# Altium PCB Power_Board_PCB.PcbDoc (part 3 of 3) (continued)
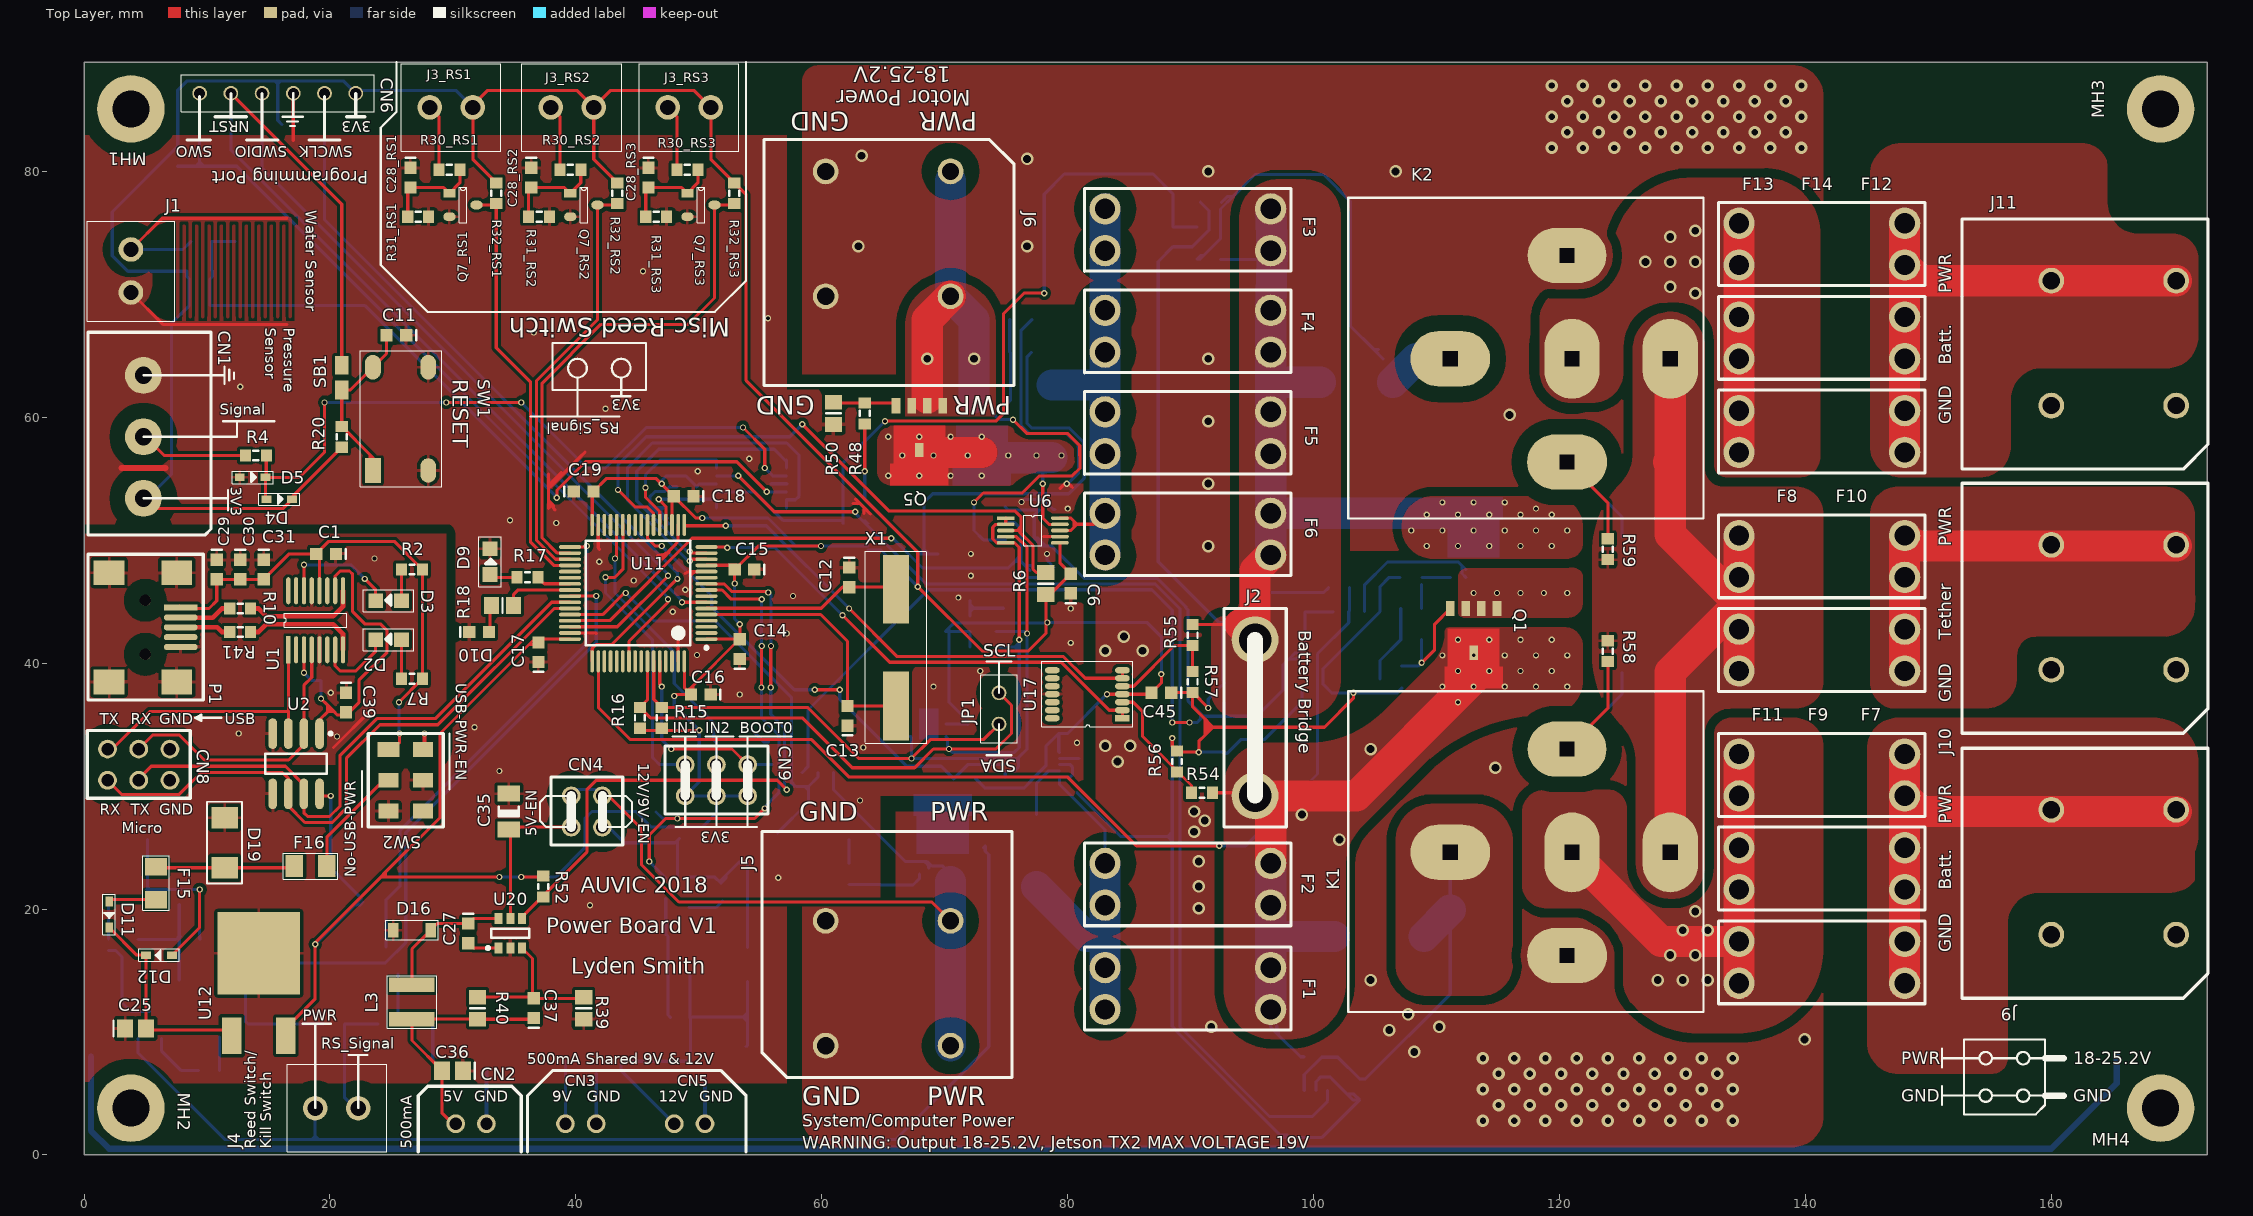
[diagram p0: Top Layer view]
## Polygon pours and split planes (outlines as drawn) (continued)
Motor-Draw-Shunted on Top Layer "MOTOR-DRAW-SHUNTED_L01_P851" (solid, pour order 851): 75.581,54.57 75.742,54.731 cw(c77.597,52.875) 77.597,55.499 79.375,55.499 ccw(c79.375,56.769) 80.645,56.769 ccw(c79.248,56.769) 79.248,58.166 77.191,58.166 cw(c77.191,60.3) 77.191,58.166 cw(c77.191,60.3) 75.682,58.791 ccw(c75.031,58.674) 75.031,59.335 cw(c75.031,58.674) 75.031,59.335 65.845,59.335 cw(c65.845,58.006) 65.845,59.335 ccw(c65.845,58.006) 64.516,58.006 64.516,55.626 ccw(c65.684,55.626) 65.684,54.458 75.311,54.458 ccw(c75.311,54.839) 75.311,54.458 ccw(c75.311,54.839) 75.521,54.521 75.527,54.516 75.58,54.569 ccw(c75.311,54.839)
NetF7_1 on Top Layer "NETF7_1_L01_P861" (solid, pour order 861): 150.622,6.604 ccw(c150.622,8.431) 150.622,6.604 ccw(c150.622,8.431) 150.625,6.604 155.186,6.604 cw(c155.194,4.318) 155.194,6.604 ccw(c155.194,7.874) 156.464,7.874 156.464,18.796 cw(c159.004,18.796) 159.004,21.336 169.672,21.336 ccw(c169.672,23.876) 171.709,22.359 171.709,24.702 ccw(c168.91,25.908) 171.958,25.908 ccw(c168.91,25.908) 171.958,25.908 171.958,30.48 171.958,31.496 171.958,32.004 ccw(c168.402,32.004) 171.958,32.004 ccw(c168.402,32.004) 168.402,35.56 ccw(c168.402,32.004) 168.402,35.56 147.566,35.56 ccw(c147.574,33.02) 145.034,33.02 145.034,9.144 ccw(c147.574,9.144) 147.574,6.604 148.336,6.604
NetF12_1 on Top Layer "NETF12_1_L01_P860" (solid, pour order 860): 169.418,64.008 ccw(c169.418,66.548) 171.958,66.548 171.958,72.898 ccw(c169.926,72.898) 169.926,74.93 167.132,74.93 cw(c167.132,77.47) 164.592,77.47 164.592,80.264 ccw(c162.56,80.264) 162.56,82.296 147.828,82.296 ccw(c147.828,79.756) 145.288,79.756 145.288,57.658 ccw(c147.828,57.658) 147.828,55.118 154.178,55.118 ccw(c154.178,57.658) 156.718,57.658 156.718,61.468 cw(c159.258,61.468) 159.258,64.008
NetF8_1 on Top Layer "NETF8_1_L01_P859" (solid, pour order 859): 145.288,38.456 ccw(c147.447,38.456) 147.117,36.322 154.686,36.322 ccw(c154.686,38.862) 157.226,38.862 157.226,40.64 cw(c158.75,40.64) 158.75,42.164 169.164,42.164 ccw(c169.164,44.704) 171.704,44.704 171.704,44.73 cw(c173.71,44.73) 171.704,44.73 ccw(c169.495,45.133) 171.704,44.73 cw(c173.71,44.73) 171.74,45.11 ccw(c169.495,45.133) 171.74,45.133 ccw(c169.495,45.133) 171.704,45.535 171.704,48.768 ccw(c170.942,48.768) 171.704,48.771 171.704,52.07 ccw(c169.239,51.885) 169.239,54.356 ccw(c169.239,51.885) 169.198,54.356 147.568,54.356 ccw(c147.574,52.07) 145.288,52.07
GND on Top Layer "GND_L01_P1048" (solid, pour order 1048): 64.77,29.21 71.374,29.21 77.978,29.21 81.28,29.21 81.28,46.99 81.28,54.61 64.77,54.61 64.77,62.23 57.15,62.23 57.15,82.931 50.673,82.931 50.673,80.899 50.038,80.264 48.895,80.264 48.514,80.645 48.514,82.931 41.458,82.931 41.458,80.987 40.608,80.137 39.497,80.137 38.989,80.645 38.989,82.931 31.369,82.931 31.369,80.518 30.988,80.137 29.591,80.137 29.083,80.645 29.083,82.931 0,82.931 0,49.022 cw(c1.778,49.022) 1.778,50.8 28.956,50.8 cw(c28.956,49.784) 29.972,49.784 29.972,33.02 cw(c28.448,33.02) 28.448,31.496 cw(c28.448,33.02) 28.448,31.496 23.876,31.496 23.876,30.353 21.971,28.448 21.59,28.829 21.59,31.496 8.636,31.496 8.636,29.972 cw(c7.62,29.972) 7.62,28.956 1.192,28.956 cw(c1.192,30.148) 1.192,28.956 cw(c1.192,30.148) 0,30.148 0,5.842 57.15,5.842 57.15,20.32 64.77,20.32
GND on Bottom Layer "GND_L02_P869" (solid, pour order 869): 82.296,43.38 87.63,43.38 87.63,29.972 82.296,29.972
Battery1 on Bottom Layer "BATTERY1_L02_P873" (solid, pour order 873): 131.191,10.922 ccw(c131.191,16.637) 136.906,16.637 136.906,33.177 ccw(c135.031,33.177) 135.031,35.052 130.977,35.052 ccw(c130.977,31.583) 129.962,34.9 ccw(c131.318,28.92) 126.982,33.256 123.197,29.471 cw(c120.728,31.94) 120.728,28.448 ccw(c121.529,28.448) 120.728,28.448 cw(c120.721,33.182) 120.721,28.448 120.724,28.442 ccw(c120.904,25.654) 118.11,25.658 118.11,21.082 cw(c120.396,21.082) 118.11,21.082 ccw(c120.396,21.082) 120.396,18.796 120.904,18.796 cw(c120.904,15.24) 120.904,18.796 cw(c120.904,15.24) 124.322,16.219 cw(c124.399,12.217) 124.399,16.22 ccw(c129.697,16.22) 124.415,15.805 cw(c120.904,15.24) 124.453,15.462 ccw(c129.697,16.22) 129.697,10.922
Battery2 on Bottom Layer "BATTERY2_L02_P877" (solid, pour order 877): 120.956,60.655 cw(c120.692,56.707) 123.49,59.505 124.129,58.867 ccw(c133.179,67.917) 133.179,55.118 135.128,55.118 ccw(c135.128,56.896) 136.906,56.896 136.906,76.2 ccw(c135.128,76.2) 135.128,77.978 134.62,77.978 ccw(c134.62,76.138) 134.415,77.967 ccw(c134.874,68.78) 128.37,75.284 122.459,69.373 cw(c121.158,70.674) 121.158,68.834 120.929,68.834 ccw(c120.929,65.659) 117.754,65.659 117.754,63.83 ccw(c120.929,63.83) 119.907,60.824 119.907,60.817 119.924,60.817 cw(c119.924,48.296) 119.928,60.817 ccw(c120.929,63.83) 120.692,60.664 ccw(c122.736,60.664) 120.692,60.664 cw(c122.736,60.664) 120.692,60.664 cw(c120.692,56.707) 120.693,60.664 ccw(c120.929,63.83) 120.929,60.655
GND on Bottom Layer "GND_L02_P1052" (solid, pour order 1052): 14.351,82.381 14.612,82.931 14.351,82.931
Right-Battery-Shunted on Bottom Layer "RIGHT-BATTERY-SHUNTED_L02_P866" (solid, pour order 866): 103.08,48.615 121.005,48.615 ccw(c121.005,49.53) 121.92,49.53 121.92,51.054 ccw(c119.38,51.054) 119.38,53.594 111.125,53.594 cw(c111.125,62.484) 102.235,62.484 102.235,76.2 ccw(c99.06,76.2) 99.06,79.375 97.155,79.375 ccw(c97.155,76.2) 93.98,76.2 93.98,49.53 ccw(c97.155,49.53) 97.155,46.355 ccw(c97.155,51.435) 100.292,47.439 100.292,47.432 cw(c103.149,44.575) 100.329,47.468 ccw(c97.155,51.435) 100.66,47.758 cw(c103.149,44.575)
GND on Bottom Layer "GND_L02_P1022" (solid, pour order 1022): 58.42,20.193 58.42,6.35 70.815,6.35 73.685,9.22 73.685,24.816 74.473,25.603 74.93,25.603 87.637,25.621 87.351,25.908 80.747,25.908 80.493,26.162 80.493,27.94 66.04,27.94 66.04,20.193
Motor-Power on Bottom Layer "MOTOR-POWER_L02_P870" (solid, pour order 870): 74.168,59.944 74.168,78.074 ccw(c71.12,78.074) 71.12,81.122 68.072,81.122 ccw(c68.072,78.074) 65.024,78.074 65.024,59.944
System-Draw-Shunted on Bottom Layer "SYSTEM-DRAW-SHUNTED_L02_P867" (solid, pour order 867): 72.745,24.485 ccw(c72.745,25.4) 73.66,25.4 cw(c74.549,25.4) 74.549,26.289 78.399,26.289 ccw(c78.399,27.9) 80.01,27.9 80.01,27.94 ccw(c78.59,27.94) 78.59,29.36 67.5,29.36 ccw(c67.5,27.9) 66.04,27.9 66.04,26.195 ccw(c67.75,26.195) 67.75,24.485
System-Draw on Bottom Layer "SYSTEM-DRAW_L02_P883" (solid, pour order 883): 75.311,10.541 ccw(c78.359,10.541) 78.359,7.493 85.09,7.493 ccw(c85.09,10.541) 88.138,10.541 88.138,22.352 ccw(c84.963,22.352) 84.963,25.527 77.851,25.527 ccw(c77.851,22.987) 75.311,22.987
Left-Battery on Bottom Layer "LEFT-BATTERY_L02_P878" (solid, pour order 878): 107.95,14.224 113.538,14.224 ccw(c113.538,16.002) 115.316,16.002 115.316,24.638 ccw(c112.268,24.638) 112.268,27.686 109.728,27.686 ccw(c109.728,24.638) 106.68,24.638 106.68,15.494 ccw(c107.95,15.494)
Right-Battery on Bottom Layer "RIGHT-BATTERY_L02_P884" (solid, pour order 884): 109.728,58.166 cw(c109.728,62.738) 109.728,58.166 ccw(c109.728,62.992) 114.554,62.992 114.554,66.294 cw(c114.554,67.564) 114.554,66.294 ccw(c112.014,66.294) 112.014,68.834 108.712,68.834 ccw(c108.712,65.278) 105.156,65.278 105.156,62.738 ccw(c109.728,62.738) 109.728,58.166 ccw(c109.728,62.992)
Motor-Draw-Shunted on Bottom Layer "MOTOR-DRAW-SHUNTED_L02_P863" (solid, pour order 863): 80.569,56.809 cw(c79.275,56.806) 80.569,56.808 ccw(c79.062,56.653)
System-Power on Bottom Layer "SYSTEM-POWER_L02_P868" (solid, pour order 868): 67.31,7.62 cw(c67.31,10.16) 64.77,10.16 64.77,15.875 cw(c67.564,15.875) 67.297,18.656 ccw(c67.297,19.939) 68.58,19.939 68.58,23.876 72.517,23.876 cw(c72.39,23.178) 73.025,23.495 73.025,10.795 cw(c70.104,10.541) 70.358,7.62
Left-Battery-Shunted on Bottom Layer "LEFT-BATTERY-SHUNTED_L02_P864" (solid, pour order 864): 120.269,37.338 ccw(c120.269,38.989) 121.92,38.989 121.92,40.102 cw(c122.712,40.102) 121.92,40.105 121.92,41.402 ccw(c120.142,41.402) 120.142,43.18 110.744,43.18 ccw(c110.744,42.418) 110.744,43.18 ccw(c110.744,42.418) 109.986,42.497 109.975,40.5 cw(c105.148,40.742) 109.972,40.437 cw(c109.412,40.5) 109.81,40.102 104.747,35.039 96.745,27.037 ccw(c97.989,24.277) 96.52,26.924 94.794,25.198 95.126,25.234 ccw(c96.358,24.002) 94.615,24.002 94.615,11.684 ccw(c96.393,11.684) 96.393,9.906 ccw(c96.393,13.732) 99.098,11.027 99.395,11.323 cw(c99.997,11.001) 99.675,11.603 102.727,14.655 ccw(c101.829,15.553) 103.095,15.457 103.095,23.622 cw(c116.811,23.622) 116.811,37.338
NetQ1_1 on Bottom Layer "NETQ1_1_L02_P865" (solid, pour order 865): 121.158,43.942 ccw(c121.158,44.704) 121.92,44.704 121.92,46.736 ccw(c120.904,46.736) 120.904,47.752 112.116,47.752 ccw(c112.116,47.396) 111.76,47.396 111.76,44.704 ccw(c112.522,44.704) 112.522,43.942
Motor-Draw-Shunted on Bottom Layer "MOTOR-DRAW-SHUNTED_L02_P1010" (solid, pour order 1010): 69.701,54.46 75.375,54.46 ccw(c75.375,54.904) 75.375,54.46 ccw(c75.375,54.904) 75.62,54.534 cw(c77.773,52.366) 75.62,54.534 ccw(c75.375,54.904) 75.731,54.638 cw(c77.773,52.366) 77.773,55.421 cw(c77.773,52.366) 77.783,55.421 79.181,55.421 ccw(c79.181,56.808) 80.566,56.718 ccw(c79.11,56.811) 80.568,56.765 ccw(c79.275,56.806) 80.569,56.806 80.569,56.809 ccw(c79.062,56.653) 80.553,56.918 ccw(c79.737,56.951) 80.554,56.951 ccw(c79.339,56.951) 79.339,58.166 79.131,58.166 ccw(c79.062,56.653) 79.062,58.168 ccw(c79.062,56.653) 78.994,58.166 77.071,58.166 cw(c77.076,60.123) 75.692,58.739 75.689,58.739 ccw(c75.031,58.674) 75.031,59.335 ccw(c75.031,58.674) 75.031,59.335 65.812,59.335 ccw(c65.812,58.039) 64.516,58.039 ccw(c65.815,58.039) 64.52,57.941 64.517,56.134 64.516,56.134 64.516,54.138 ccw(c67.056,54.138) 65.26,52.342 66.876,50.726 ccw(c67.31,51.159) 67.31,50.546 ccw(c67.31,51.054) 67.818,51.054 67.818,52.68 cw(c69.596,52.68) 69.596,54.458 69.672,54.458 ccw(c69.672,54.635)
GND-USB on Bottom Layer "GND-USB_L02_P871" (solid, pour order 871): 0,50.546 29.464,50.546 29.464,31.75 0,31.75
Motor-Draw on Bottom Layer "MOTOR-DRAW_L02_P882" (solid, pour order 882): 82.677,47.244 85.725,47.244 ccw(c85.725,48.514) 86.995,48.514 86.995,77.724 ccw(c85.598,77.724) 85.598,79.121 80.391,79.121 ccw(c80.391,77.47) 78.74,77.47 78.74,64.77 cw(c77.851,64.77) 77.851,63.881 ccw(c77.851,63.119) 77.089,63.119 77.089,61.976 ccw(c79.375,61.976) 79.375,59.69 79.883,59.69 cw(c79.883,57.912) 81.661,57.912 81.661,48.26 ccw(c82.677,48.26)
GND on Bottom Layer "GND_L02_P1030" (solid, pour order 1030): 172.72,7.112 172.72,79.502 ccw(c171.45,79.502) 171.45,80.772 166.116,80.772 cw(c166.116,82.296) 164.592,82.296 164.592,86.106 ccw(c162.052,86.106) 162.052,88.646 60.96,88.646 ccw(c60.96,86.106) 58.42,86.106 58.42,63.5 74.295,63.5 74.295,69.215 85.217,69.215 85.217,48.26 95.631,48.26 95.631,49.149 112.141,49.149 112.141,42.545 110.109,42.545 110.109,38.227 108.458,38.227 108.458,34.798 102.87,34.798 102.87,28.702 89.535,28.702 89.535,10.795 90.932,9.398 94.488,9.398 94.488,10.922 104.394,10.922 cw(c104.394,9.906) 105.41,9.906 105.41,7.645 105.41,4.064 ccw(c107.95,4.064) 107.95,1.524 157.698,1.524 ccw(c157.698,4.064) 159.494,2.268 163.594,6.368 cw(c165.39,4.572) 165.39,7.112
GND on Bottom Layer "GND_L02_P1058" (solid, pour order 1058): 57.15,20.955 64.77,20.955 64.77,29.21 81.28,29.21 81.28,46.99 81.28,54.61 64.77,54.61 64.77,62.23 57.15,62.23 57.15,82.931 19.431,82.931 19.558,82.804 19.558,76.064 19.295,76.327 18.034,76.327 14.034,80.328 13.843,80.137 13.335,80.645 9.906,80.645 9.652,80.899 9.652,82.931 0,82.931 0,5.842 57.15,5.842
no net on Top Solder "Top Layer-No Net" (solid): 16.891,75.819 16.891,68.199 cw(c16.764,68.199) 16.764,68.072 cw(c16.764,68.199) 16.637,68.199 16.637,75.819
no net on Top Solder "Top Layer-No Net" (solid): 15.875,75.819 15.875,68.199 cw(c15.748,68.199) 15.748,68.072 cw(c15.748,68.199) 15.621,68.199 15.621,75.819
no net on Top Solder "Top Layer-No Net" (solid): 14.859,75.819 14.859,68.199 cw(c14.732,68.199) 14.732,68.072 cw(c14.732,68.199) 14.605,68.199 14.605,75.819
no net on Top Solder "Top Layer-No Net" (solid): 13.843,75.819 13.843,68.199 cw(c13.716,68.199) 13.716,68.072 cw(c13.716,68.199) 13.589,68.199 13.589,75.819
no net on Top Solder "Top Layer-No Net" (solid): 12.827,75.819 12.827,68.199 cw(c12.7,68.199) 12.7,68.072 cw(c12.7,68.199) 12.573,68.199 12.573,75.819
no net on Top Solder "Top Layer-No Net" (solid): 11.811,75.819 11.811,68.199 cw(c11.684,68.199) 11.684,68.072 cw(c11.684,68.199) 11.557,68.199 11.557,75.819
no net on Top Solder "Top Layer-No Net" (solid): 10.795,75.819 10.795,68.199 cw(c10.668,68.199) 10.668,68.072 cw(c10.668,68.199) 10.541,68.199 10.541,75.819
no net on Top Solder "Top Layer-No Net" (solid): 9.779,75.819 9.779,68.199 cw(c9.652,68.199) 9.652,68.072 cw(c9.652,68.199) 9.525,68.199 9.525,75.819
no net on Top Solder "Top Layer-No Net" (solid): 8.763,75.819 8.763,68.199 cw(c8.636,68.199) 8.636,68.072 cw(c8.636,68.199) 8.509,68.199 8.509,75.819
no net on Top Solder "Top Layer-No Net" (solid): 7.747,75.819 7.747,68.199 cw(c7.62,68.199) 7.62,68.072 cw(c7.62,68.199) 7.493,68.199 7.493,75.819
no net on Top Solder "Top Layer-No Net" (solid): 17.145,67.945 17.145,75.565 cw(c17.272,75.565) 17.272,75.692 cw(c17.272,75.565) 17.399,75.565 17.399,67.945
no net on Top Solder "Top Layer-No Net" (solid): 16.129,67.945 16.129,75.565 cw(c16.256,75.565) 16.256,75.692 cw(c16.256,75.565) 16.383,75.565 16.383,67.945
no net on Top Solder "Top Layer-No Net" (solid): 15.113,67.945 15.113,75.565 cw(c15.24,75.565) 15.24,75.692 cw(c15.24,75.565) 15.367,75.565 15.367,67.945
no net on Top Solder "Top Layer-No Net" (solid): 14.097,67.945 14.097,75.565 cw(c14.224,75.565) 14.224,75.692 cw(c14.224,75.565) 14.351,75.565 14.351,67.945
no net on Top Solder "Top Layer-No Net" (solid): 13.081,67.945 13.081,75.565 cw(c13.208,75.565) 13.208,75.692 cw(c13.208,75.565) 13.335,75.565 13.335,67.945
no net on Top Solder "Top Layer-No Net" (solid): 12.065,67.945 12.065,75.565 cw(c12.192,75.565) 12.192,75.692 cw(c12.192,75.565) 12.319,75.565 12.319,67.945
no net on Top Solder "Top Layer-No Net" (solid): 11.049,67.945 11.049,75.565 cw(c11.176,75.565) 11.176,75.692 cw(c11.176,75.565) 11.303,75.565 11.303,67.945
no net on Top Solder "Top Layer-No Net" (solid): 10.033,67.945 10.033,75.565 cw(c10.16,75.565) 10.16,75.692 cw(c10.16,75.565) 10.287,75.565 10.287,67.945
no net on Top Solder "Top Layer-No Net" (solid): 9.017,67.945 9.017,75.565 cw(c9.144,75.565) 9.144,75.692 cw(c9.144,75.565) 9.271,75.565 9.271,67.945
GND on Top Solder "Top Layer-No Net" (solid): 8.001,67.945 8.001,75.565 cw(c8.128,75.565) 8.128,75.692 cw(c8.128,75.565) 8.255,75.565 8.255,67.945
Motor-Draw-Shunted on Top Solder "MOTOR-DRAW-SHUNTED_L01_P851" (solid): 75.581,54.57 75.742,54.731 cw(c77.597,52.875) 77.597,55.499 79.375,55.499 ccw(c79.375,56.769) 80.645,56.769 ccw(c79.248,56.769) 79.248,58.166 77.191,58.166 cw(c77.191,60.3) 77.191,58.166 cw(c77.191,60.3) 75.682,58.791 ccw(c75.031,58.674) 75.031,59.335 cw(c75.031,58.674) 75.031,59.335 65.845,59.335 cw(c65.845,58.006) 65.845,59.335 ccw(c65.845,58.006) 64.516,58.006 64.516,55.626 ccw(c65.684,55.626) 65.684,54.458 75.311,54.458 ccw(c75.311,54.839) 75.311,54.458 ccw(c75.311,54.839) 75.521,54.521 75.527,54.516 75.58,54.569 ccw(c75.311,54.839)
Motor-Draw-Shunted on Bottom Solder "MOTOR-DRAW-SHUNTED_L02_P874" (solid): 69.701,54.46 75.375,54.46 ccw(c75.375,54.904) 75.375,54.46 ccw(c75.375,54.904) 75.62,54.534 cw(c77.773,52.366) 75.62,54.534 ccw(c75.375,54.904) 75.731,54.638 cw(c77.773,52.366) 77.773,55.421 cw(c77.773,52.366) 77.783,55.421 79.181,55.421 ccw(c79.181,56.808) 80.566,56.718 ccw(c79.11,56.811) 80.568,56.765 ccw(c79.275,56.806) 80.569,56.806 80.569,56.809 ccw(c79.062,56.653) 80.553,56.918 ccw(c79.737,56.951) 80.554,56.951 ccw(c79.339,56.951) 79.339,58.166 79.131,58.166 ccw(c79.062,56.653) 79.062,58.168 ccw(c79.062,56.653) 78.994,58.166 77.071,58.166 cw(c77.076,60.123) 75.692,58.739 75.689,58.739 ccw(c75.031,58.674) 75.031,59.335 ccw(c75.031,58.674) 75.031,59.335 65.812,59.335 ccw(c65.812,58.039) 64.516,58.039 ccw(c65.815,58.039) 64.52,57.941 64.517,56.134 64.516,56.134 64.516,54.138 ccw(c67.056,54.138) 65.26,52.342 66.876,50.726 ccw(c67.31,51.159) 67.31,50.546 ccw(c67.31,51.054) 67.818,51.054 67.818,52.68 cw(c69.596,52.68) 69.596,54.458 69.672,54.458 ccw(c69.672,54.635)

## Other copper
Top Layer:
  pour cut-out: 64.592,54.331 ccw(c66.432,54.331) 65.131,53.03 65.329,52.832 ccw(c65.881,53.384) 65.881,52.603 71.364,52.603 ccw(c71.364,53.731) 72.161,52.934 72.161,53.11 ccw(c70.687,53.11) 71.73,54.153
  pour cut-out: 5.259,68.711 ccw(c7.414,70.866) 7.414,67.818 7.874,67.818 ccw(c7.874,67.945) 8.001,67.945 8.001,75.565 cw(c8.128,75.565) 8.128,75.692 cw(c8.128,75.565) 8.255,75.565 8.255,67.945 ccw(c8.382,67.945) 8.382,67.818 8.89,67.818 ccw(c8.89,67.945) 9.017,67.945 9.017,75.565 cw(c9.144,75.565) 9.144,75.692 cw(c9.144,75.565) 9.271,75.565 9.271,67.945 ccw(c9.398,67.945) 9.398,67.818 9.906,67.818 ccw(c9.906,67.945) 10.033,67.945 10.033,75.565 cw(c10.16,75.565) 10.16,75.692 cw(c10.16,75.565) 10.287,75.565 10.287,67.945 ccw(c10.414,67.945) 10.414,67.818 10.922,67.818 ccw(c10.922,67.945) 11.049,67.945 11.049,75.565 cw(c11.176,75.565) 11.176,75.692 cw(c11.176,75.565) 11.303,75.565 11.303,67.945 ccw(c11.43,67.945) 11.43,67.818 11.938,67.818 ccw(c11.938,67.945) 12.065,67.945 12.065,75.565 cw(c12.192,75.565) 12.192,75.692 cw(c12.192,75.565) 12.319,75.565 12.319,67.945 ccw(c12.446,67.945) 12.446,67.818 12.954,67.818 ccw(c12.954,67.945) 13.081,67.945 13.081,75.565 cw(c13.208,75.565) 13.208,75.692 cw(c13.208,75.565) 13.335,75.565 13.335,67.945 ccw(c13.462,67.945) 13.462,67.818 13.97,67.818 ccw(c13.97,67.945) 14.097,67.945 14.097,75.565 cw(c14.224,75.565) 14.224,75.692 cw(c14.224,75.565) 14.351,75.565 14.351,67.945 ccw(c14.478,67.945) 14.478,67.818 14.986,67.818 ccw(c14.986,67.945) 15.113,67.945 15.113,75.565 cw(c15.24,75.565) 15.24,75.692 cw(c15.24,75.565) 15.367,75.565 15.367,67.945 ccw(c15.494,67.945) 15.494,67.818 16.002,67.818 ccw(c16.002,67.945) 16.129,67.945 16.129,75.565 cw(c16.256,75.565) 16.256,75.692 cw(c16.256,75.565) 16.383,75.565 16.383,67.945 ccw(c16.51,67.945) 16.51,67.818 17.018,67.818 ccw(c17.018,67.945) 17.145,67.945 17.145,75.565 cw(c17.272,75.565) 17.272,75.692 cw(c17.272,75.565) 17.399,75.565 17.399,76.2 ccw(c17.272,76.2) 17.272,76.327 17.074,76.327 ccw(c17.074,76.144) 16.891,76.144 16.891,68.199 cw(c16.764,68.199) 16.764,68.072 cw(c16.764,68.199) 16.637,68.199 16.637,75.819 ccw(c16.51,75.819) 16.51,75.946 16.002,75.946 ccw(c16.002,75.819) 15.875,75.819 15.875,68.199 cw(c15.748,68.199) 15.748,68.072 cw(c15.748,68.199) 15.621,68.199 15.621,75.819 ccw(c15.494,75.819) 15.494,75.946 14.986,75.946 ccw(c14.986,75.819) 14.859,75.819 14.859,68.199 cw(c14.732,68.199) 14.732,68.072 cw(c14.732,68.199) 14.605,68.199 14.605,75.819 ccw(c14.478,75.819) 14.478,75.946 13.948,75.946 ccw(c13.948,75.844) 13.845,75.844 13.845,68.201 cw(c13.716,68.201) 13.716,68.072 cw(c13.716,68.199) 13.589,68.199 13.589,75.819 ccw(c13.462,75.819) 13.462,75.946 12.954,75.946 ccw(c12.954,75.819) 12.827,75.819 12.827,68.199 cw(c12.7,68.199) 12.7,68.072 cw(c12.7,68.199) 12.573,68.199 12.573,75.819 ccw(c12.446,75.819) 12.446,75.946 11.938,75.946 ccw(c11.938,75.819) 11.811,75.819 11.811,68.199 cw(c11.684,68.199) 11.684,68.072 cw(c11.684,68.199) 11.557,68.199 11.557,75.819 ccw(c11.43,75.819) 11.43,75.946 10.922,75.946 ccw(c10.922,75.819) 10.795,75.819 10.795,68.199 cw(c10.668,68.199) 10.668,68.072 cw(c10.668,68.199) 10.541,68.199 10.541,75.819 ccw(c10.414,75.819) 10.414,75.946 9.906,75.946 ccw(c9.906,75.819) 9.779,75.819 9.779,68.199 cw(c9.652,68.199) 9.652,68.072 cw(c9.652,68.199) 9.525,68.199 9.525,75.819 ccw(c9.398,75.819) 9.398,75.946 8.89,75.946 ccw(c8.89,75.819) 8.763,75.819 8.763,68.199 cw(c8.636,68.199) 8.636,68.072 cw(c8.636,68.199) 8.509,68.199 8.509,75.819 ccw(c8.382,75.819) 8.382,75.946 7.874,75.946 ccw(c7.874,75.819) 7.747,75.819 7.747,68.199 cw(c7.62,68.199) 7.62,68.072 cw(c7.62,68.199) 7.493,68.199 7.493,75.815 ccw(c7.362,75.815) 7.362,75.946 ccw(c7.362,73.809) 5.851,75.32 4.318,73.787 5.116,74.416 cw(c3.975,73.276) 5.588,73.276 5.588,70.984 cw(c2.986,70.984) 4.826,69.144
  pour cut-out: 14.986,54.864 15.24,52.578 16.002,52.578 17.399,53.975 17.399,54.483 17.018,54.864
  pour cut-out: 61.341,42.672 62.103,41.91 62.103,37.084 62.611,36.576 64.77,36.576 65.405,37.211 65.405,39.878 61.849,43.434
  pour cut-out: 34.671,19.939 35.052,19.558 35.814,19.558 40.894,24.638 39.116,26.416 35.56,26.416 34.671,25.527
  pour cut-out: 32.766,11.419 33.147,11.038 35.676,11.038 36.068,11.43 36.068,12.7 32.766,12.573
  pour cut-out: 43.434,27.178 44.069,26.543 47.244,26.543 47.625,26.924 47.625,30.099 45.339,30.226 44.196,30.226 43.434,29.464
  pour cut-out: 41.402,52.451 42.037,51.816 43.815,51.816 44.323,52.324 44.133,52.514 44.133,53.404 42.545,54.61 41.402,53.467
  pour cut-out: 60.071,43.815 60.452,43.434 63.246,43.434 66.167,40.513 72.517,40.513 72.517,41.529 67.856,46.19 61.976,46.19 61.087,45.339 60.071,44.323
  pour cut-out: 76.454,41.529 76.708,41.275 77.978,42.545 77.978,46.482 77.216,47.244 76.962,47.244 76.835,44.831 76.835,42.164 76.454,41.783
  pour cut-out: 140.208,35.814 141.986,34.29 143.256,35.56 143.256,36.322 142.494,37.084 141.478,37.084
  pour cut-out: 140.208,54.61 141.732,53.594 142.24,53.594 143.256,54.61 143.256,55.118 142.24,56.134 141.732,56.134
  pour cut-out: 51.079,46.888 51.435,46.888 51.765,46.558 52.476,46.558 52.476,47.422 52.172,47.727 51.206,47.727
  pour cut-out: 48.031,52.019 48.336,51.714 48.819,52.197 48.819,52.375 48.362,52.832 48.031,52.832
  pour cut-out: 49.987,35.382 50.419,33.934 59.588,33.934 59.639,33.985 58.242,35.382
  pour cut-out: 51.664,48.412 51.943,48.133 53.162,48.133 54.61,49.581 54.61,50.038 51.664,49.86
  pour cut-out: 43.434,54.534 45.009,52.959 46.406,52.959 47.371,53.924 46.533,54.762 43.434,54.762
  pour cut-out: 42.088,36.449 44.45,34.087 44.577,34.087 46.203,35.712 46.203,38.786 45.39,39.599 42.088,39.192
Bottom Layer:
  pour cut-out: 105.918,23.876 105.972,23.788 ccw(c104.348,22.86)
  pour cut-out: 72.644,50.546 73.152,50.038 74.676,50.038 74.676,53.086 74.422,53.34 72.644,53.467
  pour cut-out: 46.863,33.274 47.498,32.639 49.784,32.639 49.784,34.417 47.244,36.957
  pour cut-out: 87.376,72.136 94.107,72.136 94.107,78.613 87.376,78.613
  pour cut-out: 63.246,49.53 66.421,46.355 67.573,46.355 68.081,46.863 64.906,50.038 63.881,50.038
  pour cut-out: 56.388,51.308 57.912,49.784 65.024,49.784 62.865,51.943 61.976,51.943
  pour cut-out: 51.943,52.451 52.324,52.07 54.864,52.07 55.499,52.705 55.499,53.086 54.864,53.721 52.07,53.721
  pour cut-out: 40.513,55.372 46.482,49.403 47.244,50.165 47.244,52.07 42.799,56.515 40.513,55.753
  pour cut-out: 61.976,52.705 62.738,51.943 63.881,51.943 64.262,52.324 63.627,52.959 63.627,55.753 64.008,56.134 64.008,57.912 63.754,57.658 63.5,57.658 61.976,56.134

## Silkscreen, mask and mechanical layers (free items; w line width, h text height)
Top Overlay:
  drawing of 164 lines, arcs and shapes, not listed
  text "18-25.2V" at 70.485,88.519 h1.27 r180
  text "Motor Power" at 72.136,86.614 h1.27 r180
  text "GND" at 62.23,84.836 h1.52 r180
  text "PWR" at 72.644,84.836 h1.52 r180
  text "NRST" at 13.462,84.074 h0.89 r180
  text "3V3" at 23.368,84.074 h0.89 r180
  text "SWO" at 10.414,82.042 h0.89 r180
  text "SWDIO" at 16.51,82.042 h0.89 r180
  text "SWCLK" at 21.844,82.042 h0.89 r180
  text "Programming Port" at 23.114,80.01 h1.02 r180
  text "Water Sensor" at 18.034,76.835 h0.89 r270
  text "PWR" at 151.892,70.104 h1.02 r90
  text "Misc Reed Switch" at 52.578,68.072 h1.52 r180
  text "Sensor" at 14.732,67.31 h0.89 r270
  text "Pressure" at 16.256,67.31 h0.89 r270
  text "Batt." at 151.892,64.262 h1.02 r90
  text "RESET" at 29.972,63.119 h1.27 r270
  text "GND" at 59.436,61.722 h1.52 r180
  text "PWR" at 75.438,61.722 h1.52 r180
  text "3V3" at 45.339,61.468 h0.89 r180
  text "Signal" at 11.049,60.198 h0.89
  text "RS_Signal" at 43.561,59.563 h0.89 r180
  text "GND" at 151.892,59.436 h1.02 r90
  text "3V3" at 11.938,54.356 h0.89 r270
  text "PWR" at 151.892,49.53 h1.02 r90
  text "Battery Bridge" at 98.806,42.672 h1.02 r270
  text "Tether" at 151.892,41.91 h1.02 r90
  text "SCL" at 73.152,40.513 h1.02
  text "USB-PWR-EN" at 30.226,38.354 h0.89 r270
  text "GND" at 151.892,36.83 h1.02 r90
  text "TX" at 1.27,35.052 h0.89
  text "RX" at 3.81,35.052 h0.89
  text "GND" at 6.096,35.052 h0.89
  text "USB" at 11.43,35.052 h0.89
  text "IN1" at 47.879,34.29 h0.89
  text "IN2" at 50.546,34.29 h0.89
  text "BOOT0" at 53.34,34.29 h0.89
  text "SDA" at 75.819,32.131 h1.02 r180
  text "12V/9V-EN" at 45.085,31.877 h0.89 r270
  text "RX" at 1.27,27.686 h0.89
  text "TX" at 3.81,27.686 h0.89
  text "GND" at 6.096,27.686 h0.89
  text "GND" at 58.166,27.178 h1.52
  text "PWR" at 68.834,27.178 h1.52
  text "PWR" at 151.892,26.924 h1.02 r90
  text "3V3" at 52.578,26.289 h0.89 r180
  text "Micro" at 3.048,26.162 h0.89
  text "5V-EN" at 36.83,25.908 h0.89 r90
  text "No-USB-PWR" at 22.098,22.606 h0.89 r90
  text "Batt." at 151.892,21.59 h1.02 r90
  text "AUVIC 2018" at 40.386,21.336 h1.27
  text "Power Board V1" at 37.592,18.034 h1.27
  text "GND" at 151.892,16.51 h1.02 r90
  text "Lyden Smith" at 39.624,14.732 h1.27
  text "PWR" at 17.78,10.922 h0.89
  text "RS_Signal" at 19.304,8.636 h0.89
  text "500mA Shared 9V & 12V" at 36.068,7.366 h0.89
  text "PWR" at 147.828,7.366 h1.02
  text "18-25.2V" at 161.798,7.366 h1.02
  text "5V" at 29.21,4.318 h0.89
  text "GND" at 31.75,4.318 h0.89
  text "9V" at 38.1,4.318 h0.89
  text "GND" at 40.894,4.318 h0.89
  text "12V" at 46.736,4.318 h0.89
  text "GND" at 50.038,4.318 h0.89
  text "GND" at 147.828,4.318 h1.02
  text "GND" at 161.798,4.318 h1.02
  text "GND" at 58.42,4.064 h1.52
  text "PWR" at 68.58,4.064 h1.52
  text "System/Computer Power" at 58.42,2.286 h1.02
  text "Reed Switch/" at 13.97,0.508 h0.89 r90
  text "Kill Switch" at 15.24,0.508 h0.89 r90
  text "500mA" at 26.67,0.508 h0.89 r90
  text "WARNING: Output 18-25.2V, Jetson TX2 MAX VOLTAGE 19V" at 58.42,0.508 h1.02
Mechanical 1:
  the board outline again, w0.025